# Altium PCB PCB_New.PcbDoc (part 2 of 2) (continued)
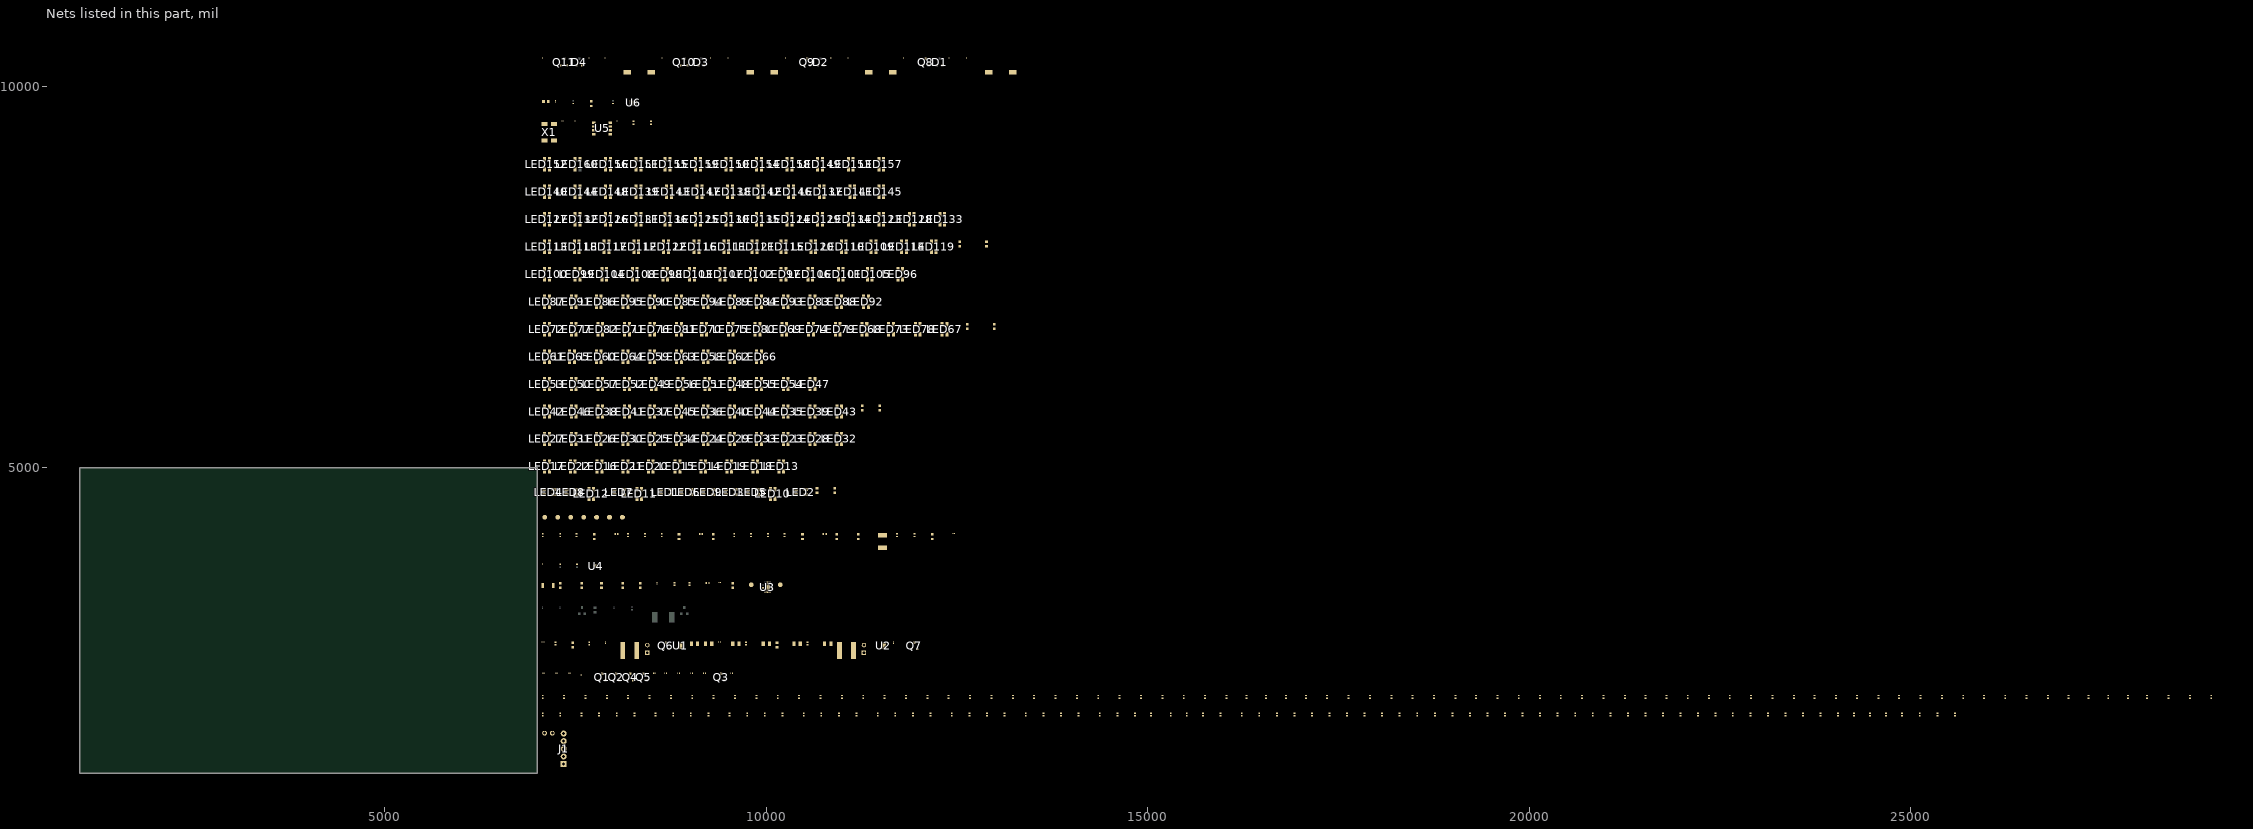
[diagram p2: the nets of this part, all layers, seen from the top]
## Part data (continued)
R11 R12: library part RC0201FR-071KL, "RES SMD 1K OHM 1% 1/20W 0201", Case Code (Imperial)=0201, Case Code (Metric)=0603, Manufacturer=Yageo, Max Operating Temperature=125°C, Max Power Dissipation=50mW, Min Operating Temperature=-55°C, Package Quantity=10000, Resistance=1kR, Resistance Tolerance=1%, Resistor Type="Thick Film", Supplier Part Number 1=311-1KMCT-ND, Temperature Coefficient=200ppm/°C, Voltage Rating=25V, Case/Package=0201, Category="Chip SMD Resistors", ComponentLink1Description=https://datasheet.ciiva.com/28419/pyu-rc0201-51-rohs-l-8-28419637.pdf?src-supplier=Avnet+Europe, ComponentLink1URL=https://datasheet.ciiva.com/28419/pyu-rc0201-51-rohs-l-8-28419637.pdf?src-supplier=Avnet+Europe, ComponentLink2Description=https://datasheet.ciiva.com/16855/pyu-rc0201-51-rohs-l-8-16855830.pdf?src-supplier=Avnet+Europe, ComponentLink2URL=https://datasheet.ciiva.com/16855/pyu-rc0201-51-rohs-l-8-16855830.pdf?src-supplier=Avnet+Europe, ComponentLink3Description=https://datasheet.ciiva.com/22698/1563626-22698505.pdf?src-supplier=Element14, ComponentLink3URL=https://datasheet.ciiva.com/22698/1563626-22698505.pdf?src-supplier=Element14, ComponentLink4Description=https://datasheet.ciiva.com/29721/pyu-r-int-thick-7-29721195.pdf?src-supplier=Digi-Key, ComponentLink4URL=https://datasheet.ciiva.com/29721/pyu-r-int-thick-7-29721195.pdf?src-supplier=Digi-Key, ComponentLink5Description=https://datasheet.ciiva.com/7672/1563626-7672204.pdf?src-supplier=Element14, ComponentLink5URL=https://datasheet.ciiva.com/7672/1563626-7672204.pdf?src-supplier=Element14, ComponentLink6Description=https://datasheet.ciiva.com/29721/pyu-r-int-thick-7-29721196.pdf?src-supplier=Digi-Key, ComponentLink6URL=https://datasheet.ciiva.com/29721/pyu-r-int-thick-7-29721196.pdf?src-supplier=Digi-Key, ComponentLink7Description=https://datasheet.ciiva.com/8896/pyu-rc0201-51-rohs-l-8-8896174.pdf?src-supplier=Avnet, ComponentLink7URL=https://datasheet.ciiva.com/8896/pyu-rc0201-51-rohs-l-8-8896174.pdf?src-supplier=Avnet, Construction=Rectangular, Contact Plating=Tin,Matte, Depth=0.3mm, Features="Moisture Resistant", Height=0.01inch, Lead Free="Lead Free", Length=0.024inch, Manufacturer Part Number=RC0201FR-071KL, Military Standard=Not, Number of Terminations=2, Packaging="Tape and Reel", Power Rating=50mW, Pricing 1="1=0.10000, 10=0.04000, 100=0.01630, 1000=0.00732, 2500=0.00635, 5000=0.00525 (USD)", Radiation Hardening=No, REACH SVHC=Unknown, RoHS=Yes, RoHS Compliant=Yes, Series=RC, Stock 1=53678, Supplier 1=Digi-Key, Technology="THICK FILM", Termination=SMD/SMT, Tolerance=1%, Width=0.012inch, Working Voltage=25V
R13 R15: library part RK73H1JTTD4023F, "RES 402K OHM 1% 1/10W 0603", Case Code (Imperial)=0603, Case Code (Metric)=1608, Manufacturer="KOA Speer", Max Operating Temperature=155°C, Min Operating Temperature=-55°C, Power Rating=100mW, Resistance=402kR, Resistor Type="Thick Film", Supplier Part Number 1=2019-RK73H1JTTD4023FCT-ND, Temperature Coefficient=100ppm/°C, Tolerance=1%, Voltage Rating=50V, Case/Package=0603, Category="Chip SMD Resistors", ComponentLink1Description=https://datasheet.ciiva.com/5553/rk73h-5553241.pdf?src-supplier=Mouser, ComponentLink1URL=https://datasheet.ciiva.com/5553/rk73h-5553241.pdf?src-supplier=Mouser, Construction=Rectangular, Depth=0.8mm, Lead Free="Lead Free", Length=1.6mm, Manufacturer Part Number=RK73H1JTTD4023F, Military Standard=Not, Packaging="Tape and Reel", Pricing 1="1=0.10000, 10=0.02200, 100=0.00910, 1000=0.00408, 2500=0.00354 (USD)", RoHS=Yes, RoHS Compliant=Yes, Series=RK73H, Stock 1=50000, Supplier 1=Digi-Key, Termination=SMD/SMT, Voltage Rating (DC)=50V
R14 R16: library part RK73H1ETTP1003F, "RES 100K OHM 1% 1/10W 0402", Case Code (Imperial)=0402, Case Code (Metric)=1005, Manufacturer="KOA Speer", Manufacturer Series=RK73H, Max Operating Temperature=155°C, Min Operating Temperature=-55°C, Package Quantity=10000, Package Shape=Rectangular, Power Rating=63mW, Resistance=100kR, Resistor Type="Thick Film", Supplier Part Number 1=2019-RK73H1ETTP1003FCT-ND, Temperature Coefficient=100ppm/°C, Tolerance=1%, Voltage Rating=50V, Additional Feature=PRECISION, Case/Package=0402, Category="Chip SMD Resistors", ComponentLink1Description=http://www.mouser.com/ds/2/219/RK73H-5715.pdf?src-supplier=Mouser, ComponentLink1URL=http://www.mouser.com/ds/2/219/RK73H-5715.pdf?src-supplier=Mouser, ComponentLink2Description=http://www.jameco.com/Jameco/Products/ProdDS/1882455.pdf?src-supplier=Jameco, ComponentLink2URL=http://www.jameco.com/Jameco/Products/ProdDS/1882455.pdf?src-supplier=Jameco, ComponentLink3Description=http://components.arrow.com/part/dataview/39721605S6492599N5146?src-supplier=Arrow+Electronics, ComponentLink3URL=http://components.arrow.com/part/dataview/39721605S6492599N5146?src-supplier=Arrow+Electronics, ComponentLink4Description=https://www.verical.com/server-webapp/html/getDatasheet?partID=26325&src-supplier=Verical, ComponentLink4URL=https://www.verical.com/server-webapp/html/getDatasheet?partID=26325&src-supplier=Verical, Construction=Rectangular, Depth=0.5mm, Height=0.35mm, Lead Free="Lead Free", Length=1mm, Manufacturer Part Number=RK73H1ETTP1003F, Military Standard=Not, Packaging="Tape and Reel", Pricing 1="1=0.10000, 10=0.02400, 100=0.00970, 1000=0.00437, 2500=0.00380, 5000=0.00314 (USD)", RoHS=Yes, RoHS Compliant=Yes, Series=RK73H, Size Code=0402, Stock 1=373472, Supplier 1=Digi-Key, Technology="METAL GLAZE/THICK FILM", Terminal Finish=Tin, Termination=SMD/SMT, Voltage Rating (DC)=50V, Width=0.5mm, Working Voltage=50V
R17 R18: library part RK73G1ETTP1004F, "RES 1M OHM 1% 1/10W 0402", Case Code (Imperial)=0402, Case Code (Metric)=1005, Manufacturer="KOA Speer", Package Quantity=10000, Resistance=4R, Supplier Part Number 1=2019-RK73G1ETTP1004FCT-ND, Case/Package=0402, Category="Chip SMD Resistors", ComponentLink1Description=http://www.mouser.com/ds/2/219/RK73G-9863.pdf?src-supplier=Mouser, ComponentLink1URL=http://www.mouser.com/ds/2/219/RK73G-9863.pdf?src-supplier=Mouser, Height=0.35mm, Length=1mm, Manufacturer Part Number=RK73G1ETTP1004F, Packaging="Tape and Reel", Pricing 1="1=0.29000, 10=0.24200, 100=0.09460, 1000=0.03960, 2500=0.03630, 5000=0.03300 (USD)", RoHS=Yes, RoHS Compliant=Yes, Series=RK73G, Stock 1=8474, Supplier 1=Digi-Key, Termination=SMD/SMT, Width=0.5mm
R19: library part RMCF0201FT4K70, "RES 4.7K OHM 1% 1/20W 0201", Case Code (Imperial)=0201, Case Code (Metric)=0603, Manufacturer="Stackpole Electronics", Max Operating Temperature=125°C, Max Power Dissipation=50mW, Min Operating Temperature=-55°C, Resistance=4.7kR, Resistor Type="Thick Film", Supplier Part Number 1=RMCF0201FT4K70CT-ND, Temperature Coefficient=200ppm/°C, Tolerance=1%, Case/Package=0201, Category="Chip SMD Resistors", ComponentLink1Description=https://www.seielect.com/catalog/SEI-Packaging.pdf?src-supplier=Digi-Key, ComponentLink1URL=https://www.seielect.com/catalog/SEI-Packaging.pdf?src-supplier=Digi-Key, ComponentLink2Description=https://www.seielect.com/catalog/SEI-RMCF_RMCP.pdf?src-supplier=Avnet, ComponentLink2URL=https://www.seielect.com/catalog/SEI-RMCF_RMCP.pdf?src-supplier=Avnet, Contact Plating=Tin,Matte, Height=0.009inch, Length=0.024inch, Manufacturer Part Number=RMCF0201FT4K70, Mount="Surface Mount", Number of Terminations=2, Packaging="Tape and Reel", Pricing 1="1=0.10000, 10=0.02300, 100=0.00940, 1000=0.00424, 2500=0.00368, 5000=0.00304 (USD)", Radiation Hardening=No, RoHS=Yes, Stock 1=325790, Supplier 1=Digi-Key, Width=0.012inch
R21 R22 R23 R24 R25 R26 R27: library part RC0201FR-0710KL, "RES SMD 10K OHM 1% 1/20W 0201", Case Code (Imperial)=0201, Case Code (Metric)=0603, Manufacturer=Yageo, Max Operating Temperature=125°C, Max Power Dissipation=50mW, Min Operating Temperature=-55°C, Package Quantity=1, Resistance=10kR, Resistor Type="Thick Film", Supplier Part Number 1=311-10.0KMCT-ND, Temperature Coefficient=200ppm/°C, Tolerance=1%, Voltage Rating=25V, Case/Package=0201, Category="Chip SMD Resistors", ComponentLink1Description=https://datasheet.ciiva.com/2467/pyu-r-int-thick-7-2467109.pdf?src-supplier=Digi-Key, ComponentLink1URL=https://datasheet.ciiva.com/2467/pyu-r-int-thick-7-2467109.pdf?src-supplier=Digi-Key, ComponentLink2Description=https://datasheet.ciiva.com/2467/pyu-r-int-thick-7-2467110.pdf?src-supplier=Digi-Key, ComponentLink2URL=https://datasheet.ciiva.com/2467/pyu-r-int-thick-7-2467110.pdf?src-supplier=Digi-Key, ComponentLink3Description=https://datasheet.ciiva.com/2467/pyu-r-int-thick-7-2467111.pdf?src-supplier=Digi-Key, ComponentLink3URL=https://datasheet.ciiva.com/2467/pyu-r-int-thick-7-2467111.pdf?src-supplier=Digi-Key, ComponentLink4Description=https://datasheet.ciiva.com/7660/1421516-7660807.pdf?src-supplier=Element14, ComponentLink4URL=https://datasheet.ciiva.com/7660/1421516-7660807.pdf?src-supplier=Element14, ComponentLink5Description=https://datasheet.ciiva.com/8891/pyu-rc0201-51-rohs-l-8-8891384.pdf?src-supplier=Avnet, ComponentLink5URL=https://datasheet.ciiva.com/8891/pyu-rc0201-51-rohs-l-8-8891384.pdf?src-supplier=Avnet, ComponentLink6Description=https://datasheet.ciiva.com/28405/pyu-rc0201-51-rohs-l-8-28405609.pdf?src-supplier=Avnet+Europe, ComponentLink6URL=https://datasheet.ciiva.com/28405/pyu-rc0201-51-rohs-l-8-28405609.pdf?src-supplier=Avnet+Europe, ComponentLink7Description=https://datasheet.ciiva.com/26829/getdatasheetpartid-421074-26829851.pdf?src-supplier=Verical, ComponentLink7URL=https://datasheet.ciiva.com/26829/getdatasheetpartid-421074-26829851.pdf?src-supplier=Verical, ComponentLink8Description=https://datasheet.ciiva.com/46391/1421516-46391339.pdf?src-supplier=Element14, ComponentLink8URL=https://datasheet.ciiva.com/46391/1421516-46391339.pdf?src-supplier=Element14, ComponentLink9Description=https://datasheet.ciiva.com/16855/pyu-rc0201-51-rohs-l-8-16855789.pdf?src-supplier=Avnet+Europe, ComponentLink9URL=https://datasheet.ciiva.com/16855/pyu-rc0201-51-rohs-l-8-16855789.pdf?src-supplier=Avnet+Europe, Contact Plating=Tin,Matte, Depth=0.3mm, Features="Moisture Resistant", Height=0.01inch, Lead Free="Lead Free", Length=0.6mm, Manufacturer Part Number=RC0201FR-0710KL, Military Standard=Not, Number of Pins=2, Number of Terminations=2, Packaging="Tape and Reel", Power Rating=50mW, Pricing 1="1=0.10000, 10=0.03600, 100=0.01480, 1000=0.00665, 2500=0.00577, 5000=0.00477 (USD)", Radiation Hardening=No, REACH SVHC="No SVHC", RoHS=Yes, Stock 1=6892350, Supplier 1=Digi-Key, Termination=SMD/SMT, Voltage Rating (DC)=25V, Weight=6E-06oz, Width=0.3mm, Working Voltage=25V
R28 R29 R30 R31: library part RK73H1HTTC47R0F, "RES 47 OHM 1% 1/20W 0201", Case Code (Imperial)=0201, Case Code (Metric)=0603, Manufacturer="KOA Speer", Max Operating Temperature=125°C, Min Operating Temperature=-55°C, Power Rating=50mW, Resistor Type="Thick Film", Supplier Part Number 1=2019-RK73H1HTTC47R0FCT-ND, Temperature Coefficient=200ppm/°C, Tolerance=1%, Voltage Rating=25V, Case/Package=0201, Category="Chip SMD Resistors", ComponentLink1Description=https://datasheet.ciiva.com/5552/rk73h-5552712.pdf?src-supplier=Mouser, ComponentLink1URL=https://datasheet.ciiva.com/5552/rk73h-5552712.pdf?src-supplier=Mouser, Construction=Rectangular, Depth=0.3mm, Length=0.6mm, Manufacturer Part Number=RK73H1HTTC47R0F, Military Standard=Not, Packaging="Tape and Reel", Pricing 1="1=0.10000, 10=0.07500, 100=0.03050, 1000=0.01370, 2500=0.01189, 5000=0.00982 (USD)", Resistance=47R, RoHS=Yes, RoHS Compliant=Yes, Series=RK73H, Stock 1=7660, Supplier 1=Digi-Key, Termination=SMD/SMT, Voltage Rating (DC)=25V
SB1 SB2 SB3 SB4 SB7 SB8 SB9 SB10 SB11 SB12 SB13 SB14 SB15 SB16 SB17 SB18 SB19 SB20 SB_L1 SB_L2 SB_L3 SB_L4: "Solder Bridge ON"
SB5 SB6: library part "Solder Bridge Trough hole", "Solder Bridge ON"
SW1: "SWITCH TACTILE SPST-NO 0.05A 12V", Contact Current Rating=50mA, Contact Resistance=100mR, Insulation Resistance=100MR, Manufacturer=Omron, Max Operating Temperature=70°C, Max Voltage Rating (DC)=12V, Min Operating Temperature=-25°C, Operating Force=1.5N, Package Quantity=1, Ratings="Dust Proof,IP40", Supplier Part Number 1=SW1020DKR-ND, Actuator Length=0.4mm, Actuator Type=Standard, ComponentLink1Description=http://www.farnell.com/datasheets/60838.pdf?src-supplier=Farnell, ComponentLink1URL=http://www.farnell.com/datasheets/60838.pdf?src-supplier=Farnell, ComponentLink2Description=http://www.farnell.com/datasheets/60838.pdf?src-supplier=Element14, ComponentLink2URL=http://www.farnell.com/datasheets/60838.pdf?src-supplier=Element14, ComponentLink3Description=https://omronfs.omron.com/en_US/ecb/products/pdf/en-b3u.pdf?src-supplier=Digi-Key, ComponentLink3URL=https://omronfs.omron.com/en_US/ecb/products/pdf/en-b3u.pdf?src-supplier=Digi-Key, ComponentLink4Description=http://www.omron.com/ecb/products/pdf/en-b3u.pdf?src-supplier=Digi-Key, ComponentLink4URL=http://www.omron.com/ecb/products/pdf/en-b3u.pdf?src-supplier=Digi-Key, ComponentLink5Description=https://www.distrelec.biz/Web/Downloads/he/et/B3U_eng_datasheet.pdf?mime=application%2Fpdf&src-supplier=Distrelec, ComponentLink5URL=https://www.distrelec.biz/Web/Downloads/he/et/B3U_eng_datasheet.pdf?mime=application%2Fpdf&src-supplier=Distrelec, ComponentLink6Description=http://www.onlinecomponents.com/productFiles/mf-OM/en-b3u.pdf?src-supplier=Onlinecomponents.com, ComponentLink6URL=http://www.onlinecomponents.com/productFiles/mf-OM/en-b3u.pdf?src-supplier=Onlinecomponents.com, ComponentLink7Description=https://www.verical.com/server-webapp/html/getDatasheet?partID=552554&src-supplier=Verical, ComponentLink7URL=https://www.verical.com/server-webapp/html/getDatasheet?partID=552554&src-supplier=Verical, ComponentLink8Description=http://www.farnell.com/datasheets/1685550.pdf?src-supplier=Element14, ComponentLink8URL=http://www.farnell.com/datasheets/1685550.pdf?src-supplier=Element14, ComponentLink9Description=http://www.farnell.com/datasheets/2610940.pdf?src-supplier=Farnell, ComponentLink9URL=http://www.farnell.com/datasheets/2610940.pdf?src-supplier=Farnell, ComponentLink10Description=https://www.alliedelec.com/m/d/4c8a9ef82804fc3c241a13c1e298fd73.pdf?src-supplier=Allied+Electronics, ComponentLink10URL=https://www.alliedelec.com/m/d/4c8a9ef82804fc3c241a13c1e298fd73.pdf?src-supplier=Allied+Electronics, Contact Material=Silver, Current Rating=50mA, Depth=2.5mm, Electrical Life=200000Cycles, Height=1.2mm, Illumination Type=Non-Illuminated,Illuminated, Lead Free="Lead Free", Length=4mm, Manufacturer Part Number=B3U-1000P, Max Current Rating=50mA, Mechanical Life=200000Cycles, Mount="Surface Mount", Orientation=Straight, Packaging="Tape and Reel", Pricing 1="1=1, 10=0.961, 25=0.9064, 50=0.7976, 100=0.7251, 250=0.68888, 500=0.67074, 1000=0.52571 (USD)", REACH SVHC=Unknown, Stock 1=116454, Supplier 1=Digi-Key, Switch Function=Off-Mom, Switch Travel=0.15mm, Termination=SMD/SMT, Throw Configuration=SPST, Voltage Rating (DC)=12V, Weight=0.000776oz, Width=3mm
SW2: "Conn Isolated Power Socket Strip SKT 20 POS 4.19mm Solder ST Thru-Hole 20 Terminal 1 Port Tube", Current=15A, Features=Momentary, Material=Plastic, Model Number=PBS-110, Switch Type="Push Button Switch"
U1 U2: "IC REG BOOST ADJ 4A 10VSON", Manufacturer="Texas Instruments", Max Input Voltage=5.5V, Max Operating Temperature=85°C, Max Output Current=2.1A, Min Input Voltage=2.3V, Min Operating Temperature=-40°C, Min Output Voltage=2.5V, Package Quantity=3000, Quiescent Current=35uA, Supplier Part Number 1=296-37761-1-ND, Switching Frequency=2MHz, Category="Power Supply Modules", ComponentLink1Description=https://datasheet.ciiva.com/48475/tps61230-48475574.pdf?src-supplier=Avnet, ComponentLink1URL=https://datasheet.ciiva.com/48475/tps61230-48475574.pdf?src-supplier=Avnet, Contact Plating=Gold, Efficiency=96%, Height=0.95mm, Lead Free="Lead Free", Length=3.1mm, Manufacturer Part Number=TPS61230DRCR, Max Output Voltage=5.5V, Number of Outputs=1, Number of Pins=10, Operating Supply Voltage=5.5V, Output Configuration=Positive, Output Current=2.1A, Output Type=Adjustable, Output Voltage=5.5V, Packaging="Tape and Reel", Pricing 1="1=2.61000, 10=2.34800, 25=2.21520, 100=1.77230, 250=1.55080, 500=1.50648, 1000=1.19632 (USD)", Radiation Hardening=No, REACH SVHC="No SVHC", RoHS=Yes, RoHS Compliant=Yes, Stock 1=42459, Supplier 1=Digi-Key, Synchronous Rectifier=Yes, Topology=Boost, Weight=0.001058oz, Width=3.1mm
U3: "IC MCU 8BIT 16KB FLASH 20VQFN", Case/Package=VQFN, Frequency=20MHz, Manufacturer=Microchip, Max Operating Temperature=105°C, Min Operating Temperature=-40°C, Supplier Part Number 1=ATTINY1616-MNRCT-ND, Category=Microcontrollers, ComponentLink1Description=http://www.microchip.com/mymicrochip/filehandler.aspx?ddocname=en606269&src-supplier=Digi-Key, ComponentLink1URL=http://www.microchip.com/mymicrochip/filehandler.aspx?ddocname=en606269&src-supplier=Digi-Key, Core Architecture=AVR, Interface=I2C,SPI,IrDA,UART,USART, Manufacturer Part Number=ATTINY1616-MNR, Memory Size=16KB, Memory Type=FLASH, Number of I/Os=18, Oscillator Type=Internal, Packaging="Cut Tape", Peripherals="Brown-out Detect/Reset,POR,PWM,WDT", Pricing 1="1=0.75000, 25=0.69000, 100=0.62000 (USD)", RoHS=No, Stock 1=3963, Supplier 1=Digi-Key
U4: "IC REG LINEAR 3.3V 1A 8XDFN", Dropout Voltage=95mV, Manufacturer="ON Semiconductor", Max Operating Temperature=125°C, Min Current Limit=1.1A, Min Operating Temperature=-40°C, Output Current=1A, Output Voltage=3.3V, Supplier Part Number 1=NCP186AMX330TAGOSCT-ND, ComponentLink1Description=http://www.farnell.com/datasheets/2236905.pdf?src-supplier=Farnell, ComponentLink1URL=http://www.farnell.com/datasheets/2236905.pdf?src-supplier=Farnell, ComponentLink2Description=http://www.farnell.com/datasheets/2236905.pdf?src-supplier=Newark, ComponentLink2URL=http://www.farnell.com/datasheets/2236905.pdf?src-supplier=Newark, ComponentLink3Description=http://www.onsemi.com/pub/Collateral/NCP186-D.PDF?src-supplier=Digi-Key, ComponentLink3URL=http://www.onsemi.com/pub/Collateral/NCP186-D.PDF?src-supplier=Digi-Key, ComponentLink4Description=https://www.onsemi.com/pub/Collateral/NCP186-D.PDF?src-supplier=Digi-Key, ComponentLink4URL=https://www.onsemi.com/pub/Collateral/NCP186-D.PDF?src-supplier=Digi-Key, Lead Free="Lead Free", Manufacturer Part Number=NCP186AMX330TAG, Mount="Surface Mount", Number of Pins=8, Number of Regulators=1, Packaging="Tape and Reel", Pricing 1="1=0.48, 10=0.39, 25=0.3564, 100=0.2405, 250=0.199, 500=0.18242, 1000=0.13682 (USD)", Stock 1=5995, Supplier 1=Digi-Key
U5: "IC RTC CLK/CALENDAR I2C 8-SOIC"
U6: "IC REG BOOST SYNC 5V 0.45A 6SON", Manufacturer="Texas Instruments", Max Input Voltage=5.5V, Max Operating Temperature=85°C, Max Output Current=450mA, Max Output Voltage=5V, Min Input Voltage=2.3V, Min Operating Temperature=-40°C, Nominal Supply Current=200uA, Package Quantity=3000, Quiescent Current=30uA, Supplier Part Number 1=296-39437-1-ND, Switching Frequency=3.5MHz, Category="Voltage Regulators - Switching", ComponentLink1Description=https://datasheet.ciiva.com/2034/tps61240-2034192.pdf?src-supplier=Digi-Key, ComponentLink1URL=https://datasheet.ciiva.com/2034/tps61240-2034192.pdf?src-supplier=Digi-Key, Contact Plating=Gold, Efficiency=90%, Lead Free="Lead Free", Manufacturer Part Number=TPS61240DRVR, Min Output Voltage=5V, Min Supply Voltage=2.3V, Number of Outputs=1, Number of Pins=6, Operating Supply Voltage=5.5V, Output Configuration=Positive, Output Current=450mA, Output Type=Fixed, Output Voltage=5V, Packaging="Tape and Reel", Pricing 1="1=1.16000, 10=1.03800, 25=0.98560, 100=0.75680, 250=0.66880, 500=0.63360, 1000=0.49280 (USD)", Radiation Hardening=No, RoHS=Yes, Stock 1=697, Supplier 1=Digi-Key, Synchronous Rectifier=Yes, Topology=Boost, Weight=0.000342oz
X1: library part CM200C32768DZFT, "CRYSTAL 32.7680KHZ 12.5PF SMD", Case/Package=SMD/SMT, ESR (Equivalent Series Resistance)=50kR, Frequency=32.768kHz, Frequency Tolerance=20ppm, Load Capacitance=12.5pF, Manufacturer=Citizen, Max Operating Temperature=85°C, Min Operating Temperature=-40°C, Package Quantity=3000, Supplier Part Number 1=695-CM200C-32768DZFT, Category=Crystals, ComponentLink1Description=https://datasheet.ciiva.com/13163/cm200c-citizen-187069-13163866.pdf?src-supplier=Mouser, ComponentLink1URL=https://datasheet.ciiva.com/13163/cm200c-citizen-187069-13163866.pdf?src-supplier=Mouser, ComponentLink2Description=https://datasheet.ciiva.com/16437/cm200c-250c-16437102.pdf?src-supplier=Future+Electronics, ComponentLink2URL=https://datasheet.ciiva.com/16437/cm200c-250c-16437102.pdf?src-supplier=Future+Electronics, ComponentLink3Description=https://datasheet.ciiva.com/48778/1673496-48778901.pdf?src-supplier=Element14, ComponentLink3URL=https://datasheet.ciiva.com/48778/1673496-48778901.pdf?src-supplier=Element14, Lead Free="Lead Free", Manufacturer Part Number=CM200C32768DZFT, Mount="Surface Mount", Packaging="Tape and Reel", Pricing 1="1=0.57000, 10=0.47500, 50=0.42700, 100=0.38000, 1000=0.30400, 10000=0.25400 (USD)", REACH SVHC=Unknown, RoHS=Yes, Stock 1=1, Supplier 1=Mouser

## Nets (pads, with @x,y where several pads share a name; then routed paths per layer and width w, separated by ;. In a path a pad name is that pad's centre, name@x,y a point inside that pad or via, vN(x,y) a via of type N, cw(c..) or ccw(c..) an arc to the next point about the centre after c; other vN are vias at no path point)
A_LED_INPUT: LED2.4 SB1.2 SB2.2
B_LED_INPUT: LED42.4 SB3.2 SB4.2
BAT_IN: C25.2 J2.1 P3.1 SB17.1 SB18.1 SW2.1
BUZZ: D1.2 LS1.2 R28.1
BUZZ1: D2.2 LS2.2 R29.1
BUZZ2: D3.2 LS4.2 R30.1
BUZZ3: D4.2 LS3.2 R31.1
BUZZER: Q8.1 Q9.1 R24.1 R25.1 U3.6
BUZZER_1: Q10.1 Q11.1 R26.1 R27.1 U3.7
C_LED_INPUT: LED82.4 SB_L1.2 SB_L2.2
CLK_OUT: P8.1 SB8.2 U5.7
D_LED_INPUT: LED122.4 SB_L3.2 SB_L4.2
DOUT1: LED2.2 LED3.4
DOUT2: LED1.4 LED3.2
DOUT3: LED1.2 LED4.4
DOUT4: LED4.2 LED5.4
DOUT5: LED5.2 LED6.4
DOUT6: LED6.2 LED7.4
DOUT7: LED7.2 LED8.4
DOUT8: LED8.2 LED10.4
DOUT9: LED9.4 LED10.2
DOUT10: LED9.2 LED11.4
DOUT11: LED11.2 LED12.4
DOUT12: LED12.2 LED13.4
DOUT13: LED13.2 LED14.4
DOUT14: LED14.2 LED15.4
DOUT15: LED15.2 LED16.4
DOUT16: LED16.2 LED17.4
DOUT17: LED17.2 LED18.4
DOUT18: LED18.2 LED19.4
DOUT19: LED19.2 LED20.4
DOUT20: LED20.2 LED21.4
DOUT21: LED21.2 LED22.4
DOUT22: LED22.2 LED23.4
DOUT23: LED23.2 LED24.4
DOUT24: LED24.2 LED25.4
DOUT25: LED25.2 LED26.4
DOUT26: LED26.2 LED27.4
DOUT27: LED27.2 LED28.4
DOUT28: LED28.2 LED29.4
DOUT29: LED29.2 LED30.4
DOUT30: LED30.2 LED31.4
DOUT31: LED31.2 LED32.4
DOUT32: LED32.2 LED33.4
DOUT33: LED33.2 LED34.4
DOUT34: LED34.2 LED35.4
DOUT35: LED35.2 LED36.4
DOUT36: LED36.2 LED37.4
DOUT37: LED37.2 LED38.4
DOUT38: LED38.2 LED39.4
DOUT39: LED39.2 LED40.4
DOUT40: LED40.2 LED41.4
DOUT41: LED41.2 SB3.1
DOUT42: LED42.2 LED43.4
DOUT43: LED43.2 LED44.4
DOUT44: LED44.2 LED45.4
DOUT45: LED45.2 LED46.4
DOUT46: LED46.2 LED47.4
DOUT47: LED47.2 LED48.4
DOUT48: LED48.2 LED49.4
DOUT49: LED49.2 LED50.4
DOUT50: LED50.2 LED54.4
DOUT51: LED51.4 LED54.2
DOUT52: LED51.2 LED52.4
DOUT53: LED52.2 LED53.4
DOUT54: LED53.2 LED55.4
DOUT55: LED55.2 LED56.4
DOUT56: LED56.2 LED57.4
DOUT57: LED57.2 LED58.4
DOUT58: LED58.2 LED59.4
DOUT59: LED59.2 LED60.4
DOUT60: LED60.2 LED61.4
DOUT61: LED61.2 LED62.4
DOUT62: LED62.2 LED63.4
DOUT63: LED63.2 LED64.4
DOUT64: LED64.2 LED65.4
DOUT65: LED65.2 LED66.4
DOUT66: LED66.2 LED67.4
DOUT67: LED67.2 LED68.4
DOUT68: LED68.2 LED69.4
DOUT69: LED69.2 LED70.4
DOUT70: LED70.2 LED71.4
DOUT71: LED71.2 LED72.4
DOUT72: LED72.2 LED73.4
DOUT73: LED73.2 LED74.4
DOUT74: LED74.2 LED75.4
DOUT75: LED75.2 LED76.4
DOUT76: LED76.2 LED77.4
DOUT77: LED77.2 LED78.4
DOUT78: LED78.2 LED79.4
DOUT79: LED79.2 LED80.4
DOUT80: LED80.2 LED81.4
DOUT81: LED81.2 SB_L1.1
DOUT82: LED82.2 LED83.4
DOUT83: LED83.2 LED84.4
DOUT84: LED84.2 LED85.4
DOUT85: LED85.2 LED86.4
DOUT86: LED86.2 LED87.4
DOUT87: LED87.2 LED88.4
DOUT88: LED88.2 LED89.4
DOUT89: LED89.2 LED90.4
DOUT90: LED90.2 LED91.4
DOUT91: LED91.2 LED92.4
DOUT92: LED92.2 LED93.4
DOUT93: LED93.2 LED94.4
DOUT94: LED94.2 LED95.4
DOUT95: LED95.2 LED96.4
DOUT96: LED96.2 LED97.4
DOUT97: LED97.2 LED98.4
DOUT98: LED98.2 LED99.4
DOUT99: LED99.2 LED100.4
DOUT100: LED100.2 LED101.4
DOUT101: LED101.2 LED102.4
DOUT102: LED102.2 LED103.4
DOUT103: LED103.2 LED104.4
DOUT104: LED104.2 LED105.4
DOUT105: LED105.2 LED106.4
DOUT106: LED106.2 LED107.4
DOUT107: LED107.2 LED108.4
DOUT108: LED108.2 LED109.4
DOUT109: LED109.2 LED110.4
DOUT110: LED110.2 LED111.4
DOUT111: LED111.2 LED112.4
DOUT112: LED112.2 LED113.4
DOUT113: LED113.2 LED114.4
DOUT114: LED114.2 LED115.4
DOUT115: LED115.2 LED116.4
DOUT116: LED116.2 LED117.4
DOUT117: LED117.2 LED118.4
DOUT118: LED118.2 LED119.4
DOUT119: LED119.2 LED120.4
DOUT120: LED120.2 LED121.4
DOUT121: LED121.2 SB_L3.1
DOUT122: LED122.2 LED123.4
DOUT123: LED123.2 LED124.4
DOUT124: LED124.2 LED125.4
DOUT125: LED125.2 LED126.4
DOUT126: LED126.2 LED127.4
DOUT127: LED127.2 LED128.4
DOUT128: LED128.2 LED129.4
DOUT129: LED129.2 LED130.4
DOUT130: LED130.2 LED131.4
DOUT131: LED131.2 LED132.4
DOUT132: LED132.2 LED133.4
DOUT133: LED133.2 LED134.4
DOUT134: LED134.2 LED135.4
DOUT135: LED135.2 LED136.4
DOUT136: LED136.2 LED137.4
DOUT137: LED137.2 LED138.4
DOUT138: LED138.2 LED139.4
DOUT139: LED139.2 LED140.4
DOUT140: LED140.2 LED141.4
DOUT141: LED141.2 LED142.4
DOUT142: LED142.2 LED143.4
DOUT143: LED143.2 LED144.4
DOUT144: LED144.2 LED145.4
DOUT145: LED145.2 LED146.4
DOUT146: LED146.2 LED147.4
DOUT147: LED147.2 LED148.4
DOUT148: LED148.2 LED149.4
DOUT149: LED149.2 LED150.4
DOUT150: LED150.2 LED151.4
DOUT151: LED151.2 LED152.4
DOUT152: LED152.2 LED153.4
DOUT153: LED153.2 LED154.4
DOUT154: LED154.2 LED155.4
DOUT155: LED155.2 LED156.4
DOUT156: LED156.2 LED157.4
DOUT157: LED157.2 LED158.4
DOUT158: LED158.2 LED159.4
DOUT159: LED159.2 LED160.4
EN: Q7.2 U2.9
EN#: Q6.2 U1.9
EN_CO_1: R12.2 U3.9
EN_CO_2: R11.2 U3.10
GND: C1.1 C2.1 C3.1 C4.1 C5.1 C6.1 C7.2 C8.2 C9.1 C10.1 C11.1 C14.2 C15.2 C16.2 C17.2 C18.2 C19.2 C20.2 C21.2 C22.2 C23.2 C24.2 C25.1 C26.1 C27.1 C28.1 C29.1 C30.1 C31.1 C32.1 C33.1 C34.1 C35.1 C36.1 C37.1 C38.1 C39.1 C40.1 C41.1 C42.1 C43.1 C44.1 C45.1 C46.1 C47.1 C48.1 C49.1 C50.1 C51.1 C52.1 C53.1 C54.1 C55.1 C56.1 C57.1 C58.1 C59.1 C60.1 C61.1 C62.1 C63.1 C64.1 C65.1 C66.1 C67.1 C68.1 C69.1 C70.1 C71.1 C72.1 C73.1 C74.1 C75.1 C76.1 C77.1 C78.1 C79.1 C80.1 C81.1 C82.1 C83.1 C84.1 C85.1 C86.1 C87.1 C88.1 C89.1 C90.1 C91.1 C92.1 C93.1 C94.1 C95.1 C96.1 C97.1 C98.1 C99.1 C100.1 C101.1 C102.1 C103.1 C104.1 C105.1 C106.1 C107.1 C108.1 C109.1 C110.1 C111.1 C112.1 C113.1 C114.1 C115.1 C116.1 C117.1 C118.1 C119.1 C120.1 C121.1 C122.1 C123.1 C124.1 C125.1 C126.1 C127.1 C128.1 C129.1 C130.1 C131.1 C132.1 C133.1 C134.1 C135.1 C136.1 C137.1 C138.1 C139.1 C140.1 C141.1 C142.1 C143.1 C144.1 C145.1 C146.1 C147.1 C148.1 C149.1 C150.1 C151.1 C152.1 C153.1 C154.1 C155.1 C156.1 C157.1 C158.1 C159.1 C160.1 C161.1 C162.1 C163.1 C164.1 C165.1 C166.1 C167.1 C168.1 C169.1 C170.1 C171.1 C172.1 C173.1 C174.1 C175.1 C176.1 C177.1 C178.1 C179.1 C180.1 C181.1 C182.1 C183.1 C184.1 C185.1 C186.1 C187.1 C188.1 C189.1 J1.5 J2.2 LED1.3 LED2.3 LED3.3 LED4.3 LED5.3 LED6.3 LED7.3 LED8.3 LED9.3 LED10.3 LED11.3 LED12.3 LED13.3 LED14.3 LED15.3 LED16.3 LED17.3 LED18.3 LED19.3 LED20.3 LED21.3 LED22.3 LED23.3 LED24.3 LED25.3 LED26.3 LED27.3 LED28.3 LED29.3 LED30.3 LED31.3 LED32.3 LED33.3 LED34.3 LED35.3 LED36.3 LED37.3 LED38.3 LED39.3 LED40.3 LED41.3 LED42.3 LED43.3 LED44.3 LED45.3 LED46.3 LED47.3 LED48.3 LED49.3 LED50.3 LED51.3 LED52.3 LED53.3 LED54.3 LED55.3 LED56.3 LED57.3 LED58.3 LED59.3 LED60.3 LED61.3 LED62.3 LED63.3 LED64.3 LED65.3 LED66.3 LED67.3 LED68.3 LED69.3 LED70.3 LED71.3 LED72.3 LED73.3 LED74.3 LED75.3 LED76.3 LED77.3 LED78.3 LED79.3 LED80.3 LED81.3 LED82.3 LED83.3 LED84.3 LED85.3 LED86.3 LED87.3 LED88.3 LED89.3 LED90.3 LED91.3 LED92.3 LED93.3 LED94.3 LED95.3 LED96.3 LED97.3 LED98.3 LED99.3 LED100.3 LED101.3 LED102.3 LED103.3 LED104.3 LED105.3 LED106.3 LED107.3 LED108.3 LED109.3 LED110.3 LED111.3 LED112.3 LED113.3 LED114.3 LED115.3 LED116.3 LED117.3 LED118.3 LED119.3 LED120.3 LED121.3 LED122.3 LED123.3 LED124.3 LED125.3 LED126.3 LED127.3 LED128.3 LED129.3 LED130.3 LED131.3 LED132.3 LED133.3 LED134.3 LED135.3 LED136.3 LED137.3 LED138.3 LED139.3 LED140.3 LED141.3 LED142.3 LED143.3 LED144.3 LED145.3 LED146.3 LED147.3 LED148.3 LED149.3 LED150.3 LED151.3 LED152.3 LED153.3 LED154.3 LED155.3 LED156.3 LED157.3 LED158.3 LED159.3 LED160.3 P7.1 P9.1 Q8.2 Q9.2 Q10.2 Q11.2 R14.2 R16.2 R24.2 R25.2 R26.2 R27.2 SW1.2 U1.11 U2.11 U3.3 U3.21 U4.5 U4.9 U5.4 U6.1 U6.7 X1.2 X1.3
INT: U3.5 U5.3
LED: Q3.2 R6.2 SB7.1
LED_A: Q1.2 R2.2 SB9.2
LED_B: Q2.2 R4.2 SB10.2
LED_C: Q4.2 R8.2 SB11.2
LED_D: Q5.2 R10.2 SB12.2
LED_IN: Q3.3 R5.2 SB1.1
LED_IN_A: Q1.3 R1.2 SB2.1
LED_IN_B: Q2.3 R3.2 SB4.1
LED_IN_C: Q4.3 R7.2 SB_L2.1
LED_IN_D: Q5.3 R9.2 SB_L4.1
NetC7_1: C7.1 U1.6
NetC8_1: C8.1 U2.6
NetD1_1: D1.1 L10.2 LS1.1
NetD2_1: D2.1 L11.2 LS2.1
NetD3_1: D3.1 L12.2 LS4.1
NetD4_1: D4.1 L13.2 LS3.1
NetL1_1: L1.1 U1.1 U1.2
NetL2_1: L2.1 U2.1 U2.2
NetL3_2: L3.2 U3.4
NetL4_1: L4.1 SB13.2
NetL5_1: L5.1 SB14.2
NetL6_1: L6.1 SB15.2
NetL7_1: L7.1 SB16.2
NetL8_2: L8.2 U5.8
NetL9_2: L9.2 U6.5
NetQ6_1: Q6.1 R11.1
NetQ7_1: Q7.1 R12.1
NetQ8_3: Q8.3 R28.2
NetQ9_3: Q9.3 R29.2
NetQ10_3: Q10.3 R30.2
NetQ11_3: Q11.3 R31.2
NetR13_1: R13.1 R14.1 U1.7
NetR15_1: R15.1 R16.1 U2.7
NetR17_2: R17.2 U1.5
NetR18_2: R18.2 U2.5
NetR20_1: R20.1 U4.6
NetR23_1: R23.1 U6.4
NetSB7_2: SB7.2 U3.8
NetSB8_1: SB8.1 U3.2
NetSB9_1: SB9.1 U3.15
NetSB10_1: SB10.1 U3.16
NetSB11_1: SB11.1 U3.17
NetSB12_1: SB12.1 U3.18
OSC_IN: U5.1 X1.1
OSC_OUT: U5.2 X1.4
RESET: C11.2 R19.1 SW1.1 U3.19
RESET#: J1.4 R19.2
RXD: J1.3 U3.11
SCL: R22.1 U3.14 U5.6
SDA: R21.1 U3.13 U5.5
TXD: J1.2 U3.12
V_BAT: P4.1 SB13.1 SB14.1 SB15.1 SB16.1 SB17.2 SB18.2 SB19.1 SW2.2
V_MCU: C23.1 C24.1 L4.2 R20.2 U4.7 U4.8
V_OUT_1: C4.2 C5.2 C6.2 R15.2 R18.1 SB6.1 U2.3 U2.4
V_OUT_2: C1.2 C2.2 C3.2 R13.2 R17.1 SB5.1 U1.3 U1.4
V_TR: C14.1 C15.1 C16.1 L5.2 L9.1 R23.2 U6.6
V_TR_O: SB20.1 U6.2 U6.3
VCC: P6.1 SB19.2 SB20.2
VCC_L1: C30.2 C31.2 C32.2 C33.2 C34.2 C35.2 C36.2 C37.2 C38.2 C39.2 C40.2 C41.2 C42.2 C43.2 C44.2 C45.2 C46.2 C47.2 C48.2 C49.2 C50.2 C51.2 C52.2 C53.2 C54.2 C55.2 C56.2 C57.2 C58.2 C59.2 C60.2 C61.2 C62.2 C63.2 C64.2 C65.2 C66.2 C67.2 C68.2 C69.2 C70.2 C71.2 C72.2 C73.2 C74.2 C75.2 C76.2 C77.2 C78.2 C79.2 C80.2 C81.2 C82.2 C83.2 C84.2 C85.2 C86.2 C87.2 C88.2 C89.2 C90.2 C91.2 C92.2 C93.2 C94.2 C95.2 C96.2 C97.2 C98.2 C99.2 C100.2 C101.2 C102.2 C103.2 C104.2 C105.2 C106.2 C107.2 C108.2 C109.2 C110.2 C111.2 C112.2 C113.2 C114.2 C115.2 C116.2 C117.2 C118.2 C119.2 C120.2 C121.2 C122.2 C123.2 C124.2 C125.2 C126.2 C127.2 C128.2 C129.2 C130.2 C131.2 C132.2 C133.2 C134.2 C135.2 C136.2 C137.2 C138.2 C139.2 C140.2 C141.2 C142.2 C143.2 C144.2 C145.2 C146.2 C147.2 C148.2 C149.2 C150.2 C151.2 C152.2 C153.2 C154.2 C155.2 C156.2 C157.2 C158.2 C159.2 C160.2 C161.2 C162.2 C163.2 C164.2 C165.2 C166.2 C167.2 C168.2 C169.2 C170.2 C171.2 C172.2 C173.2 C174.2 C175.2 C176.2 C177.2 C178.2 C179.2 C180.2 C181.2 C182.2 C183.2 C184.2 C185.2 C186.2 C187.2 C188.2 C189.2 LED1.1 LED2.1 LED3.1 LED4.1 LED5.1 LED6.1 LED7.1 LED8.1 LED9.1 LED10.1 LED11.1 LED12.1 LED13.1 LED14.1 LED15.1 LED16.1 LED17.1 LED18.1 LED19.1 LED20.1 LED21.1 LED22.1 LED23.1 LED24.1 LED25.1 LED26.1 LED27.1 LED28.1 LED29.1 LED30.1 LED31.1 LED32.1 LED33.1 LED34.1 LED35.1 LED36.1 LED37.1 LED38.1 LED39.1 LED40.1 LED41.1 LED42.1 LED43.1 LED44.1 LED45.1 LED46.1 LED47.1 LED48.1 LED49.1 LED50.1 LED51.1 LED52.1 LED53.1 LED54.1 LED55.1 LED56.1 LED57.1 LED58.1 LED59.1 LED60.1 LED61.1 LED62.1 LED63.1 LED64.1 LED65.1 LED66.1 LED67.1 LED68.1 LED69.1 LED70.1 LED71.1 LED72.1 LED73.1 LED74.1 LED75.1 LED76.1 LED77.1 LED78.1 LED79.1 LED80.1 P1.1 R1.1 R3.1 R5.1 SB6.2
VCC_L2: LED81.1 LED82.1 LED83.1 LED84.1 LED85.1 LED86.1 LED87.1 LED88.1 LED89.1 LED90.1 LED91.1 LED92.1 LED93.1 LED94.1 LED95.1 LED96.1 LED97.1 LED98.1 LED99.1 LED100.1 LED101.1 LED102.1 LED103.1 LED104.1 LED105.1 LED106.1 LED107.1 LED108.1 LED109.1 LED110.1 LED111.1 LED112.1 LED113.1 LED114.1 LED115.1 LED116.1 LED117.1 LED118.1 LED119.1 LED120.1 LED121.1 LED122.1 LED123.1 LED124.1 LED125.1 LED126.1 LED127.1 LED128.1 LED129.1 LED130.1 LED131.1 LED132.1 LED133.1 LED134.1 LED135.1 LED136.1 LED137.1 LED138.1 LED139.1 LED140.1 LED141.1 LED142.1 LED143.1 LED144.1 LED145.1 LED146.1 LED147.1 LED148.1 LED149.1 LED150.1 LED151.1 LED152.1 LED153.1 LED154.1 LED155.1 LED156.1 LED157.1 LED158.1 LED159.1 LED160.1 P2.1 R7.1 R9.1 SB5.2
VDD: C9.2 C10.2 C12.2 C13.2 C26.2 C27.2 J1.1 L3.1 L8.1 L10.1 L11.1 L12.1 L13.1 P5.1 Q1.1 Q2.1 Q3.1 Q4.1 Q5.1 R2.1 R4.1 R6.1 R8.1 R10.1 R21.2 R22.2 U4.1 U4.2 U4.4
VIN: C17.1 C18.1 C19.1 L2.2 L6.2 Q7.3 U2.10
VIN#: C20.1 C21.1 C22.1 L1.2 L7.2 Q6.3 U1.10
pads on no net: C12.1 C13.1 C28.2 C29.2 C190.1 C190.2 C191.1 C191.2 D1.3 D2.3 D3.3 D4.3 D5.1 D5.2 D5.3 L14.1 L14.2 LED160.2 Q12.1 Q12.2 Q12.3 R32.1 R32.2 R33.1 R33.2 R34.1 R34.2 U1.8 U2.8 U3.1 U3.20 U4.3